# KiCad board SweetBusiness.kicad_pcb
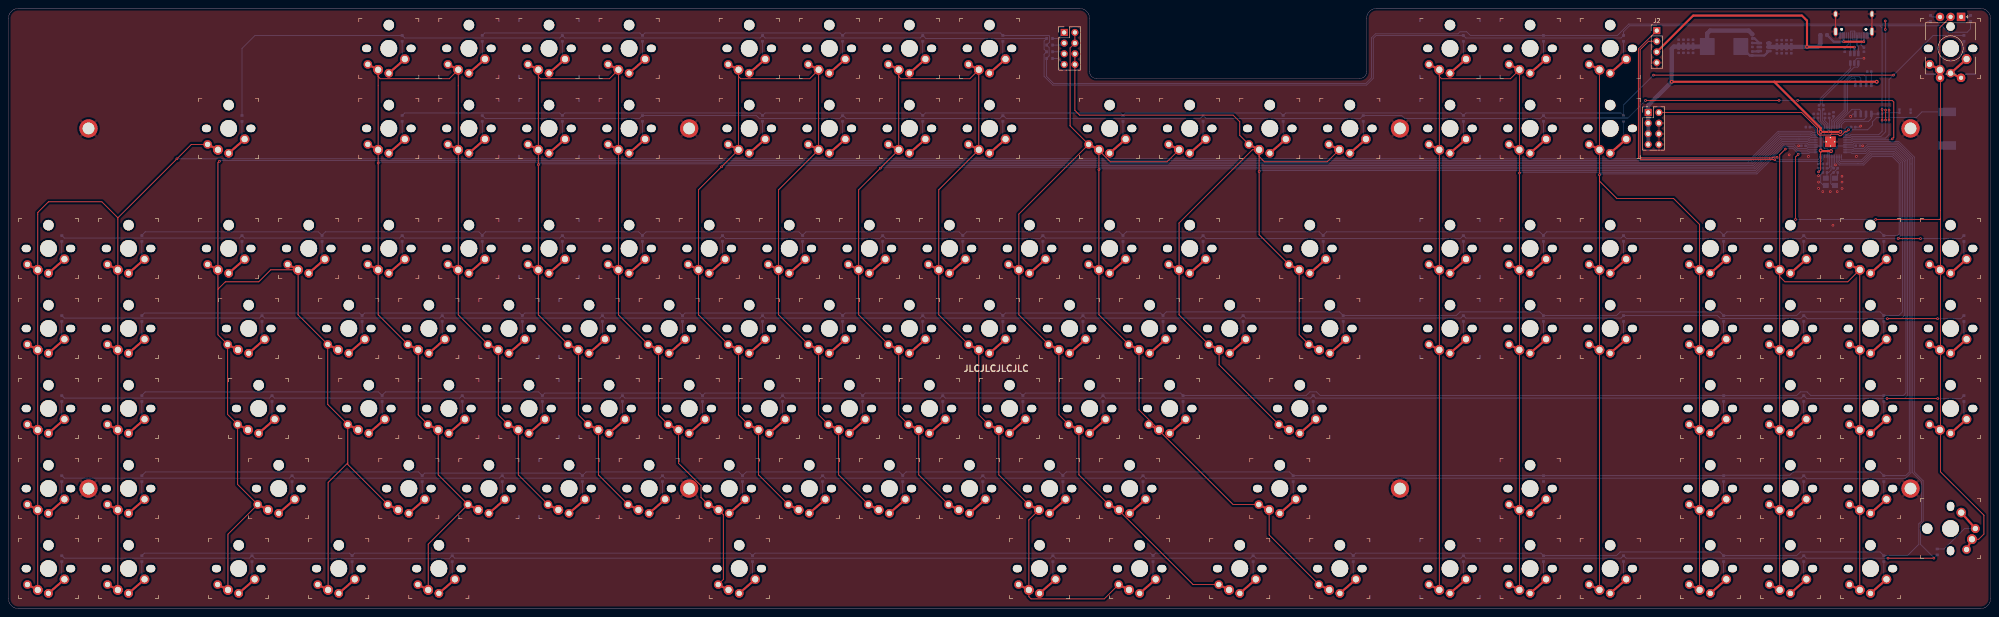
[diagram p0: board, top side]
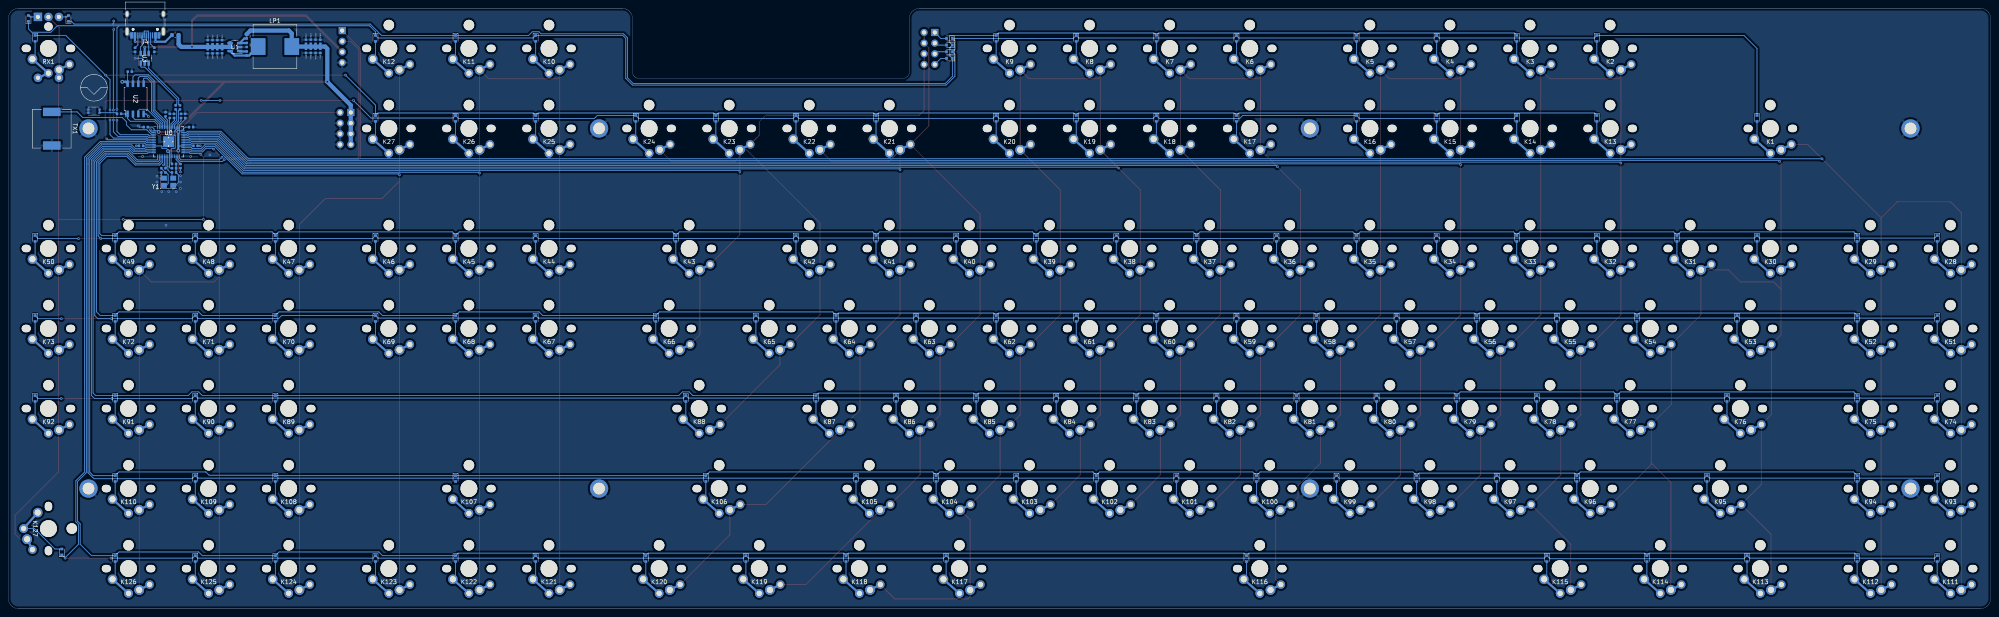
[diagram p1: board, bottom side, seen from below]

Outline 471.49 x 142.88 mm; copper layers: Top, Bottom. Coordinates in mm from the lower left corner of the outline.
Outline path: 0,140.49 arc(0.7,142.18) 2.38,142.88 254.79,142.88 arc(256.48,142.18) 257.18,140.49 257.18,127.79 arc(257.64,126.67) 258.76,126.21 321.47,126.21 arc(322.59,126.67) 323.06,127.79 323.06,140.49 arc(323.75,142.18) 325.44,142.88 469.11,142.88 arc(470.79,142.18) 471.49,140.49 471.49,2.38 arc(470.79,0.7) 469.11,0 2.38,0 arc(0.7,0.7) 0,2.38 0,140.49
Stack: Top 0.035mm / dielectric 1.51mm FR4 er 4.5 / Bottom 0.035mm

## Placement (name value [footprint] x y rotation side)
C1  100nF  [Passive_0402_1005Metric]  432.09 105.85 180 bottom
C2  1uf  [Passive_0402_1005Metric]  434.12 117.67 90 bottom
C3  100nF  [Passive_0402_1005Metric]  432.09 104.84 180 bottom
C4  100nF  [Passive_0402_1005Metric]  428.02 114.62 180 bottom
C5  100nF  [Passive_0402_1005Metric]  429.42 117.28 90 bottom
C6  100nF  [Passive_0402_1005Metric]  430.43 117.28 90 bottom
C7  100nF  [Passive_0402_1005Metric]  432.09 117.28 90 bottom
C8  100nF  [Passive_0402_1005Metric]  433.1 117.28 90 bottom
C9  100nF  [Passive_0402_1005Metric]  439.94 110.17 0 bottom
C10  1uf  [Passive_0402_1005Metric]  438.82 114.62 0 bottom
C11  10uf  [Passive_0402_1005Metric]  426.98 110.17 180 bottom
CF1  100nF  [Passive_0402_1005Metric]  442.63 127.83 180 bottom
CP1  100nF  [Passive_0402_1005Metric]  414.81 132.14 270 bottom
CP2  22uf  [Passive_0402_1005Metric]  420.66 134.84 270 bottom
CP3  22uf  [Passive_0402_1005Metric]  421.8 134.84 270 bottom
CP4  22uf  [Passive_0402_1005Metric]  422.94 134.84 270 bottom
CP5  22uf  [Passive_0402_1005Metric]  424.08 134.84 270 bottom
CP6  22uf  [Passive_0402_1005Metric]  420.66 132.68 90 bottom
CP7  22uf  [Passive_0402_1005Metric]  421.8 132.68 90 bottom
CP8  22uf  [Passive_0402_1005Metric]  422.94 132.68 90 bottom
CP9  22uf  [Passive_0402_1005Metric]  424.08 132.68 90 bottom
CP10  22uf  [Passive_0402_1005Metric]  400.72 134.94 90 bottom
CP11  22uf  [Passive_0402_1005Metric]  399.57 134.94 90 bottom
CP12  22uf  [Passive_0402_1005Metric]  398.43 134.94 90 bottom
CP13  22uf  [Passive_0402_1005Metric]  397.29 134.94 90 bottom
CP14  22uf  [Passive_0402_1005Metric]  400.72 132.78 270 bottom
CP15  22uf  [Passive_0402_1005Metric]  399.57 132.78 270 bottom
CP16  22uf  [Passive_0402_1005Metric]  398.43 132.78 270 bottom
CP17  22uf  [Passive_0402_1005Metric]  397.29 132.78 270 bottom
CX1  100nF  [Passive_0402_1005Metric]  432.09 103.82 180 bottom
CX2  100nF  [Passive_0402_1005Metric]  434.63 103.82 180 bottom
D1  SOD-523  [D_SOD-523]  55.56 116.68 270 bottom
D2  SOD-523  [D_SOD-523]  93.66 135.73 270 bottom
D3  SOD-523  [D_SOD-523]  112.71 135.73 270 bottom
D4  SOD-523  [D_SOD-523]  131.76 135.73 270 bottom
D5  SOD-523  [D_SOD-523]  150.81 135.73 270 bottom
D6  SOD-523  [D_SOD-523]  179.39 135.73 270 bottom
D7  SOD-523  [D_SOD-523]  198.44 135.73 270 bottom
D8  SOD-523  [D_SOD-523]  217.49 135.73 270 bottom
D9  SOD-523  [D_SOD-523]  236.54 135.73 270 bottom
D10  SOD-523  [D_SOD-523]  346.07 135.73 270 bottom
D11  SOD-523  [D_SOD-523]  365.12 135.73 270 bottom
D12  SOD-523  [D_SOD-523]  384.18 135.73 270 bottom
D13  SOD-523  [D_SOD-523]  93.66 116.68 270 bottom
D14  SOD-523  [D_SOD-523]  112.71 116.68 270 bottom
D15  SOD-523  [D_SOD-523]  131.76 116.68 270 bottom
D16  SOD-523  [D_SOD-523]  150.81 116.68 270 bottom
D17  SOD-523  [D_SOD-523]  179.39 116.68 270 bottom
D18  SOD-523  [D_SOD-523]  198.44 116.68 270 bottom
D19  SOD-523  [D_SOD-523]  217.49 116.68 270 bottom
D20  SOD-523  [D_SOD-523]  236.54 116.68 270 bottom
D21  SOD-523  [D_SOD-523]  265.11 116.68 270 bottom
D22  SOD-523  [D_SOD-523]  284.16 116.68 270 bottom
D23  SOD-523  [D_SOD-523]  303.21 116.68 270 bottom
D24  SOD-523  [D_SOD-523]  322.26 116.68 270 bottom
D25  SOD-523  [D_SOD-523]  346.07 116.68 270 bottom
D26  SOD-523  [D_SOD-523]  365.12 116.68 270 bottom
D27  SOD-523  [D_SOD-523]  384.18 116.68 270 bottom
D28  SOD-523  [D_SOD-523]  12.7 88.11 270 bottom
D29  SOD-523  [D_SOD-523]  31.75 88.11 270 bottom
D30  SOD-523  [D_SOD-523]  55.56 88.11 270 bottom
D31  SOD-523  [D_SOD-523]  74.61 88.11 270 bottom
D32  SOD-523  [D_SOD-523]  93.66 88.11 270 bottom
D33  SOD-523  [D_SOD-523]  112.71 88.11 270 bottom
D34  SOD-523  [D_SOD-523]  131.76 88.11 270 bottom
D35  SOD-523  [D_SOD-523]  150.81 88.11 270 bottom
D36  SOD-523  [D_SOD-523]  169.86 88.11 270 bottom
D37  SOD-523  [D_SOD-523]  188.91 88.11 270 bottom
D38  SOD-523  [D_SOD-523]  207.96 88.11 270 bottom
D39  SOD-523  [D_SOD-523]  227.01 88.11 270 bottom
D40  SOD-523  [D_SOD-523]  246.06 88.11 270 bottom
D41  SOD-523  [D_SOD-523]  265.11 88.11 270 bottom
D42  SOD-523  [D_SOD-523]  284.16 88.11 270 bottom
D43  SOD-523  [D_SOD-523]  312.74 88.11 270 bottom
D44  SOD-523  [D_SOD-523]  346.07 88.11 270 bottom
D45  SOD-523  [D_SOD-523]  365.12 88.11 270 bottom
D46  SOD-523  [D_SOD-523]  384.18 88.11 270 bottom
D47  SOD-523  [D_SOD-523]  407.99 88.11 270 bottom
D48  SOD-523  [D_SOD-523]  427.04 88.11 270 bottom
D49  SOD-523  [D_SOD-523]  446.09 88.11 270 bottom
D50  SOD-523  [D_SOD-523]  465.14 88.11 270 bottom
D51  SOD-523  [D_SOD-523]  12.7 69.06 270 bottom
D52  SOD-523  [D_SOD-523]  31.75 69.06 270 bottom
D53  SOD-523  [D_SOD-523]  60.33 69.06 270 bottom
D54  SOD-523  [D_SOD-523]  84.14 69.06 270 bottom
D55  SOD-523  [D_SOD-523]  103.19 69.06 270 bottom
D56  SOD-523  [D_SOD-523]  122.24 69.06 270 bottom
D57  SOD-523  [D_SOD-523]  141.29 69.06 270 bottom
D58  SOD-523  [D_SOD-523]  160.34 69.06 270 bottom
D59  SOD-523  [D_SOD-523]  179.39 69.06 270 bottom
D60  SOD-523  [D_SOD-523]  198.44 69.06 270 bottom
D61  SOD-523  [D_SOD-523]  217.49 69.06 270 bottom
D62  SOD-523  [D_SOD-523]  236.54 69.06 270 bottom
D63  SOD-523  [D_SOD-523]  255.59 69.06 270 bottom
D64  SOD-523  [D_SOD-523]  274.64 69.06 270 bottom
D65  SOD-523  [D_SOD-523]  293.69 69.06 270 bottom
D66  SOD-523  [D_SOD-523]  317.5 69.06 270 bottom
D67  SOD-523  [D_SOD-523]  346.07 69.06 270 bottom
D68  SOD-523  [D_SOD-523]  365.12 69.06 270 bottom
D69  SOD-523  [D_SOD-523]  384.18 69.06 270 bottom
D70  SOD-523  [D_SOD-523]  407.99 69.06 270 bottom
D71  SOD-523  [D_SOD-523]  427.04 69.06 270 bottom
D72  SOD-523  [D_SOD-523]  446.09 69.06 270 bottom
D73  SOD-523  [D_SOD-523]  465.14 69.06 270 bottom
D74  SOD-523  [D_SOD-523]  12.7 50.01 270 bottom
D75  SOD-523  [D_SOD-523]  31.75 50.01 270 bottom
D76  SOD-523  [D_SOD-523]  62.71 50.01 270 bottom
D77  SOD-523  [D_SOD-523]  88.9 50.01 270 bottom
D78  SOD-523  [D_SOD-523]  107.95 50.01 270 bottom
D79  SOD-523  [D_SOD-523]  127 50.01 270 bottom
D80  SOD-523  [D_SOD-523]  146.05 50.01 270 bottom
D81  SOD-523  [D_SOD-523]  165.1 50.01 270 bottom
D82  SOD-523  [D_SOD-523]  184.15 50.01 270 bottom
D83  SOD-523  [D_SOD-523]  203.2 50.01 270 bottom
D84  SOD-523  [D_SOD-523]  222.25 50.01 270 bottom
D85  SOD-523  [D_SOD-523]  241.3 50.01 270 bottom
D86  SOD-523  [D_SOD-523]  260.35 50.01 270 bottom
D87  SOD-523  [D_SOD-523]  279.4 50.01 270 bottom
D88  SOD-523  [D_SOD-523]  310.36 50.01 270 bottom
D89  SOD-523  [D_SOD-523]  407.99 50.01 270 bottom
D90  SOD-523  [D_SOD-523]  427.04 50.01 270 bottom
D91  SOD-523  [D_SOD-523]  446.09 50.01 270 bottom
D92  SOD-523  [D_SOD-523]  465.14 50.01 270 bottom
D93  SOD-523  [D_SOD-523]  12.7 30.96 270 bottom
D94  SOD-523  [D_SOD-523]  31.75 30.96 270 bottom
D95  SOD-523  [D_SOD-523]  67.47 30.96 270 bottom
D96  SOD-523  [D_SOD-523]  98.43 30.96 270 bottom
D97  SOD-523  [D_SOD-523]  117.47 30.96 270 bottom
D98  SOD-523  [D_SOD-523]  136.53 30.96 270 bottom
D99  SOD-523  [D_SOD-523]  155.57 30.96 270 bottom
D100  SOD-523  [D_SOD-523]  174.62 30.96 270 bottom
D101  SOD-523  [D_SOD-523]  193.68 30.96 270 bottom
D102  SOD-523  [D_SOD-523]  212.73 30.96 270 bottom
D103  SOD-523  [D_SOD-523]  231.77 30.96 270 bottom
D104  SOD-523  [D_SOD-523]  250.82 30.96 270 bottom
D105  SOD-523  [D_SOD-523]  269.88 30.96 270 bottom
D106  SOD-523  [D_SOD-523]  305.59 30.96 270 bottom
D107  SOD-523  [D_SOD-523]  365.12 30.96 270 bottom
D108  SOD-523  [D_SOD-523]  407.99 30.96 270 bottom
D109  SOD-523  [D_SOD-523]  427.04 30.96 270 bottom
D110  SOD-523  [D_SOD-523]  446.09 30.96 270 bottom
D111  SOD-523  [D_SOD-523]  12.7 11.91 270 bottom
D112  SOD-523  [D_SOD-523]  31.75 11.91 270 bottom
D113  SOD-523  [D_SOD-523]  57.94 11.91 270 bottom
D114  SOD-523  [D_SOD-523]  81.76 11.91 270 bottom
D115  SOD-523  [D_SOD-523]  105.57 11.91 270 bottom
D116  SOD-523  [D_SOD-523]  177.01 11.91 270 bottom
D117  SOD-523  [D_SOD-523]  248.44 11.91 270 bottom
D118  SOD-523  [D_SOD-523]  272.26 11.91 270 bottom
D119  SOD-523  [D_SOD-523]  296.07 11.91 270 bottom
D120  SOD-523  [D_SOD-523]  319.88 11.91 270 bottom
D121  SOD-523  [D_SOD-523]  346.07 11.91 270 bottom
D122  SOD-523  [D_SOD-523]  365.12 11.91 270 bottom
D123  SOD-523  [D_SOD-523]  384.18 11.91 270 bottom
D124  SOD-523  [D_SOD-523]  407.99 11.91 270 bottom
D125  SOD-523  [D_SOD-523]  427.04 11.91 270 bottom
D126  SOD-523  [D_SOD-523]  446.09 11.91 270 bottom
D127  SOD-523  [D_SOD-523]  458.79 13.49 90 bottom
DR1  SOD-523  [D_SOD-523]  465.14 135.73 270 bottom
DR2  SOD-523  [D_SOD-523]  466.73 140.49 90 bottom
DR3  SOD-523  [D_SOD-523]  457.2 140.49 90 bottom
DT1  SOD-523  [D_SOD-523]  247.65 135.73 0 bottom
DT2  SOD-523  [D_SOD-523]  247.65 134.14 0 bottom
DT3  SOD-523  [D_SOD-523]  247.65 132.56 0 bottom
DT4  SOD-523  [D_SOD-523]  247.65 130.97 0 bottom
F1  6v 500ma  [Fuse_0603_1608Metric]  431.8 136.53 180 bottom
H1  Mount  [SolderableHole-M2]  19.05 114.3 0 top
H2  Mount  [SolderableHole-M2]  161.93 114.3 0 top
H3  Mount  [SolderableHole-M2]  330.99 114.3 0 top
H4  Mount  [SolderableHole-M2]  452.44 114.3 0 top
H5  Mount  [SolderableHole-M2]  19.05 28.58 0 top
H6  Mount  [SolderableHole-M2]  161.93 28.58 0 top
H7  Mount  [SolderableHole-M2]  330.99 28.58 0 top
H8  Mount  [SolderableHole-M2]  452.44 28.58 0 top
J1  Toggle Link  [PinHeader_2x04_P2.54mm_Vertical]  251.14 137.15 0 top
J2  I2C  [PinHeader_1x04_P2.54mm_Vertical]  392.08 137.59 0 top
J3  Bridge  [PinHeader_2x04_P2.54mm_Vertical]  390.04 118.1 0 top
J4  USB  [USB_C_Receptacle_HRO_TYPE-C-31-M-12]  438.94 140.49 0 bottom
K1  OmniSwitch  [MX-Choc-RGB]  52.39 114.3 180 top
K2  OmniSwitch  [MX-Choc-RGB]  90.49 133.35 180 top
K3  OmniSwitch  [MX-Choc-RGB]  109.54 133.35 180 top
K4  OmniSwitch  [MX-Choc-RGB]  128.59 133.35 180 top
K5  OmniSwitch  [MX-Choc-RGB]  147.64 133.35 180 top
K6  OmniSwitch  [MX-Choc-RGB]  176.21 133.35 180 top
K7  OmniSwitch  [MX-Choc-RGB]  195.26 133.35 180 top
K8  OmniSwitch  [MX-Choc-RGB]  214.31 133.35 180 top
K9  OmniSwitch  [MX-Choc-RGB]  233.36 133.35 180 top
K10  OmniSwitch  [MX-Choc-RGB]  342.9 133.35 180 top
K11  OmniSwitch  [MX-Choc-RGB]  361.95 133.35 180 top
K12  OmniSwitch  [MX-Choc-RGB]  381 133.35 180 top
K13  OmniSwitch  [MX-Choc-RGB]  90.49 114.3 180 top
K14  OmniSwitch  [MX-Choc-RGB]  109.54 114.3 180 top
K15  OmniSwitch  [MX-Choc-RGB]  128.59 114.3 180 top
K16  OmniSwitch  [MX-Choc-RGB]  147.64 114.3 180 top
K17  OmniSwitch  [MX-Choc-RGB]  176.21 114.3 180 top
K18  OmniSwitch  [MX-Choc-RGB]  195.26 114.3 180 top
K19  OmniSwitch  [MX-Choc-RGB]  214.31 114.3 180 top
K20  OmniSwitch  [MX-Choc-RGB]  233.36 114.3 180 top
K21  OmniSwitch  [MX-Choc-RGB]  261.94 114.3 180 top
K22  OmniSwitch  [MX-Choc-RGB]  280.99 114.3 180 top
K23  OmniSwitch  [MX-Choc-RGB]  300.04 114.3 180 top
K24  OmniSwitch  [MX-Choc-RGB]  319.09 114.3 180 top
K25  OmniSwitch  [MX-Choc-RGB]  342.9 114.3 180 top
K26  OmniSwitch  [MX-Choc-RGB]  361.95 114.3 180 top
K27  OmniSwitch  [MX-Choc-RGB]  381 114.3 180 top
K28  OmniSwitch  [MX-Choc-RGB]  9.53 85.73 180 top
K29  OmniSwitch  [MX-Choc-RGB]  28.58 85.73 180 top
K30  OmniSwitch  [MX-Choc-RGB]  52.39 85.73 180 top
K31  OmniSwitch  [MX-Choc-RGB]  71.44 85.73 180 top
K32  OmniSwitch  [MX-Choc-RGB]  90.49 85.73 180 top
K33  OmniSwitch  [MX-Choc-RGB]  109.54 85.73 180 top
K34  OmniSwitch  [MX-Choc-RGB]  128.59 85.73 180 top
K35  OmniSwitch  [MX-Choc-RGB]  147.64 85.73 180 top
K36  OmniSwitch  [MX-Choc-RGB]  166.69 85.73 180 top
K37  OmniSwitch  [MX-Choc-RGB]  185.74 85.73 180 top
K38  OmniSwitch  [MX-Choc-RGB]  204.79 85.73 180 top
K39  OmniSwitch  [MX-Choc-RGB]  223.84 85.73 180 top
K40  OmniSwitch  [MX-Choc-RGB]  242.89 85.73 180 top
K41  OmniSwitch  [MX-Choc-RGB]  261.94 85.73 180 top
K42  OmniSwitch  [MX-Choc-RGB]  280.99 85.73 180 top
K43  OmniSwitch  [MX-Choc-RGB]  309.56 85.73 180 top
K44  OmniSwitch  [MX-Choc-RGB]  342.9 85.73 180 top
K45  OmniSwitch  [MX-Choc-RGB]  361.95 85.73 180 top
K46  OmniSwitch  [MX-Choc-RGB]  381 85.73 180 top
K47  OmniSwitch  [MX-Choc-RGB]  404.81 85.73 180 top
K48  OmniSwitch  [MX-Choc-RGB]  423.86 85.73 180 top
K49  OmniSwitch  [MX-Choc-RGB]  442.91 85.73 180 top
K50  OmniSwitch  [MX-Choc-RGB]  461.96 85.73 180 top
K51  OmniSwitch  [MX-Choc-RGB]  9.53 66.68 180 top
K52  OmniSwitch  [MX-Choc-RGB]  28.58 66.68 180 top
K53  OmniSwitch  [MX-Choc-RGB]  57.15 66.68 180 top
K54  OmniSwitch  [MX-Choc-RGB]  80.96 66.68 180 top
K55  OmniSwitch  [MX-Choc-RGB]  100.01 66.68 180 top
K56  OmniSwitch  [MX-Choc-RGB]  119.06 66.68 180 top
K57  OmniSwitch  [MX-Choc-RGB]  138.11 66.68 180 top
K58  OmniSwitch  [MX-Choc-RGB]  157.16 66.68 180 top
K59  OmniSwitch  [MX-Choc-RGB]  176.21 66.68 180 top
K60  OmniSwitch  [MX-Choc-RGB]  195.26 66.68 180 top
K61  OmniSwitch  [MX-Choc-RGB]  214.31 66.68 180 top
K62  OmniSwitch  [MX-Choc-RGB]  233.36 66.68 180 top
K63  OmniSwitch  [MX-Choc-RGB]  252.41 66.68 180 top
K64  OmniSwitch  [MX-Choc-RGB]  271.46 66.68 180 top
K65  OmniSwitch  [MX-Choc-RGB]  290.51 66.68 180 top
K66  OmniSwitch  [MX-Choc-RGB]  314.32 66.68 180 top
K67  OmniSwitch  [MX-Choc-RGB]  342.9 66.68 180 top
K68  OmniSwitch  [MX-Choc-RGB]  361.95 66.68 180 top
K69  OmniSwitch  [MX-Choc-RGB]  381 66.68 180 top
K70  OmniSwitch  [MX-Choc-RGB]  404.81 66.68 180 top
K71  OmniSwitch  [MX-Choc-RGB]  423.86 66.68 180 top
K72  OmniSwitch  [MX-Choc-RGB]  442.91 66.68 180 top
K73  OmniSwitch  [MX-Choc-RGB]  461.96 66.68 180 top
K74  OmniSwitch  [MX-Choc-RGB]  9.53 47.62 180 top
K75  OmniSwitch  [MX-Choc-RGB]  28.58 47.62 180 top
K76  OmniSwitch  [MX-Choc-RGB]  59.53 47.62 180 top
K77  OmniSwitch  [MX-Choc-RGB]  85.72 47.62 180 top
K78  OmniSwitch  [MX-Choc-RGB]  104.78 47.62 180 top
K79  OmniSwitch  [MX-Choc-RGB]  123.82 47.62 180 top
K80  OmniSwitch  [MX-Choc-RGB]  142.88 47.62 180 top
K81  OmniSwitch  [MX-Choc-RGB]  161.93 47.62 180 top
K82  OmniSwitch  [MX-Choc-RGB]  180.97 47.62 180 top
K83  OmniSwitch  [MX-Choc-RGB]  200.02 47.62 180 top
K84  OmniSwitch  [MX-Choc-RGB]  219.07 47.62 180 top
K85  OmniSwitch  [MX-Choc-RGB]  238.12 47.62 180 top
K86  OmniSwitch  [MX-Choc-RGB]  257.18 47.62 180 top
K87  OmniSwitch  [MX-Choc-RGB]  276.23 47.62 180 top
K88  OmniSwitch  [MX-Choc-RGB]  307.18 47.62 180 top
K89  OmniSwitch  [MX-Choc-RGB]  404.81 47.62 180 top
K90  OmniSwitch  [MX-Choc-RGB]  423.86 47.62 180 top
K91  OmniSwitch  [MX-Choc-RGB]  442.91 47.62 180 top
K92  OmniSwitch  [MX-Choc-RGB]  461.96 47.62 180 top
K93  OmniSwitch  [MX-Choc-RGB]  9.53 28.58 180 top
K94  OmniSwitch  [MX-Choc-RGB]  28.58 28.58 180 top
K95  OmniSwitch  [MX-Choc-RGB]  64.29 28.58 180 top
K96  OmniSwitch  [MX-Choc-RGB]  95.25 28.58 180 top
K97  OmniSwitch  [MX-Choc-RGB]  114.3 28.58 180 top
K98  OmniSwitch  [MX-Choc-RGB]  133.35 28.58 180 top
K99  OmniSwitch  [MX-Choc-RGB]  152.4 28.58 180 top
K100  OmniSwitch  [MX-Choc-RGB]  171.45 28.58 180 top
K101  OmniSwitch  [MX-Choc-RGB]  190.5 28.58 180 top
K102  OmniSwitch  [MX-Choc-RGB]  209.55 28.58 180 top
K103  OmniSwitch  [MX-Choc-RGB]  228.6 28.58 180 top
K104  OmniSwitch  [MX-Choc-RGB]  247.65 28.58 180 top
K105  OmniSwitch  [MX-Choc-RGB]  266.7 28.58 180 top
K106  OmniSwitch  [MX-Choc-RGB]  302.42 28.58 180 top
K107  OmniSwitch  [MX-Choc-RGB]  361.95 28.58 180 top
K108  OmniSwitch  [MX-Choc-RGB]  404.81 28.58 180 top
K109  OmniSwitch  [MX-Choc-RGB]  423.86 28.58 180 top
K110  OmniSwitch  [MX-Choc-RGB]  442.91 28.58 180 top
K111  OmniSwitch  [MX-Choc-RGB]  9.53 9.53 180 top
K112  OmniSwitch  [MX-Choc-RGB]  28.58 9.53 180 top
K113  OmniSwitch  [MX-Choc-RGB]  54.77 9.53 180 top
K114  OmniSwitch  [MX-Choc-RGB]  78.58 9.53 180 top
K115  OmniSwitch  [MX-Choc-RGB]  102.39 9.53 180 top
K116  OmniSwitch  [MX-Choc-RGB]  173.83 9.53 180 top
K117  OmniSwitch  [MX-Choc-RGB]  245.27 9.53 180 top
K118  OmniSwitch  [MX-Choc-RGB]  269.08 9.53 180 top
K119  OmniSwitch  [MX-Choc-RGB]  292.89 9.53 180 top
K120  OmniSwitch  [MX-Choc-RGB]  316.71 9.53 180 top
K121  OmniSwitch  [MX-Choc-RGB]  342.9 9.53 180 top
K122  OmniSwitch  [MX-Choc-RGB]  361.95 9.53 180 top
K123  OmniSwitch  [MX-Choc-RGB]  381 9.53 180 top
K124  OmniSwitch  [MX-Choc-RGB]  404.81 9.53 180 top
K125  OmniSwitch  [MX-Choc-RGB]  423.86 9.53 180 top
K126  OmniSwitch  [MX-Choc-RGB]  442.91 9.53 180 top
K127  OmniSwitch  [MX-Choc-RGB]  461.96 19.05 270 top
LP1  10uH  [L_Wuerth_HCI-1040]  408.08 133.79 180 bottom
RC1  5k1  [Passive_0402_1005Metric]  441.36 133.03 90 bottom
RC2  5k1  [Passive_0402_1005Metric]  436.78 133.03 270 bottom
RD1  27  [Passive_0402_1005Metric]  431.7 119.32 270 bottom
RD2  27  [Passive_0402_1005Metric]  430.69 119.32 270 bottom
RF1  1k  [Passive_0402_1005Metric]  445.17 117.79 0 bottom
RP1  100K  [Passive_0402_1005Metric]  414.81 136.21 270 bottom
RP2  22.1K  [Passive_0402_1005Metric]  414.81 134.18 270 bottom
RR1  1k  [Passive_0402_1005Metric]  430.56 105.35 90 bottom
RX1  Media  [MX-Choc-Enc-RGB]  461.96 133.35 180 top
RX2  1k  [Passive_0402_1005Metric]  434.63 104.84 0 bottom
S1  USB BOOT  [SW_EVPBB4A9B000]  451.14 118.43 180 bottom
TX1  Transducer  [Buzzer_CUI_CPT-9019S-SMT]  461.17 114.24 270 bottom
U0  RP2040  [QFN-56-RP2040]  433.39 111.12 180 bottom
U1  MT2492  [SOT-23-6]  417.61 133.67 0 bottom
U2  W25Q128JVS  [SOIC-8_5.23x5.23mm_P1.27mm]  441.23 121.35 90 bottom
U3  USBLC6-2SC6  [SOT-23-6]  439.07 131 90 bottom
Y1  12MHz  [Crystal_SMD_3225-4Pin_3.2x2.5mm]  433.39 101.6 180 bottom

## Library data of the parts
C1 C3-C6 C9 CP1 = -: LCSC: C1525
C2 = -: LCSC: C52923
C7 C8 CF1 CX1 CX2 = -: LCSC: C1525; Field5: REF**
C10 = -: LCSC: C52923; Field5: REF**
C11 = -: LCSC: C23733; Field5: REF**
CP2-CP17 = -: LCSC: C415703
D1-D127 DR1-DR3 DT1-DT4 = -: LCSC: C2802290
F1 = -: LCSC: C207011
J4 = -: LCSC: C167321
LP1 = -: LCSC: C44893
RC1 RC2 RF1 RR1 RX2 = -: LCSC: C25905; Field5: REF**
RD1 RD2 = -: LCSC: C413051; Field5: REF**
RP1 = -: LCSC: C25741
RP2 = -: LCSC: C43473
S1 = -: LCSC: C140848
TX1 = -: LCSC: C391035
U0 = -: LCSC: C2040
U1 = -: LCSC: C89358
U2 = -: LCSC: C97521
U3 = -: LCSC: C2827654
Y1 = -: LCSC: C9002

## Footprints (pads in the part's own frame, mm; a bottom-side part is the same pattern mirrored in y, then rotated)
Buzzer_CUI_CPT-9019S-SMT
  rect 2x4.2 smd: 1(-4,0) 2(4,0)
Crystal_SMD_3225-4Pin_3.2x2.5mm
  rect 1.4x1.2 smd: 1(-1.1,-0.85) 2(1.1,-0.85) 3(1.1,0.85) 4(-1.1,0.85)
D_SOD-523
  rect 0.6x0.7 smd: 1(-0.7,0) 2(0.7,0)
Fuse_0603_1608Metric
  rrect 0.875x0.95 smd: 1(-0.787,0) 2(0.787,0)
L_Wuerth_HCI-1040
  rect 3.5x4 smd: 1(-4,0) 2(4,0)
MX-Choc-Enc-RGB
  oval 2.15x1.75 hole 2.15x1.75 unplated: (-5.283,0) (5.283,0)
  round 3.988 hole 3.988 unplated: (0,0)
  round 2 hole 2 unplated: (0,-5.2)
  custom 2x3.17 hole 1: 1(2.5,7)
  round 2.286 hole 1.499: 1(2.54,5.08)
  round 2.032 smd: 1(5,3.8)
  custom 3.786x2.545 hole 1.27: 1(5,3.8)
  round 2.286 smd: 2(-3.81,2.54)
  custom 5.203x4.753 hole 1.499: 2(-3.81,2.54)
  round 2 smd: 2(-2.5,7)
  custom 3.75x2.35 hole 1: 2(-2.5,7)
  round 2.032 hole 1.27: 2(0,5.9)
  rect 2x2 hole 1: A(-2.5,-7.5)
  round 2 hole 1: B(2.5,-7.5) C(0,-7.5)
MX-Choc-RGB
  oval 2.15x1.75 hole 2.15x1.75 unplated: (-5.283,0) (5.283,0)
  round 3.988 hole 3.988 unplated: (0,0)
  round 2.5 hole 2.5 unplated: (0,-5.556)
  round 2.286 smd: 1(2.54,5.08)
  round 2.286 smd far side: 1(2.54,5.08)
  custom 3.853x2.673 hole 1.499: 1(2.54,5.08)
  round 2.032 hole 1.27: 1(5,3.8)
  round 2.286 hole 1.499: 2(-3.81,2.54)
  round 2.032 smd: 2(0,5.9)
  round 2.032 smd far side: 2(0,5.9)
  custom 5.076x4.626 hole 1.27: 2(0,5.9)
Passive_0402_1005Metric
  rrect 0.59x0.64 smd: 1(-0.485,0) 2(0.485,0)
PinHeader_1x04_P2.54mm_Vertical
  rect 1.7x1.7 hole 1: 1(0,0)
  oval 1.7x1.7 hole 1: 2(0,-2.54) 3(0,-5.08) 4(0,-7.62)
PinHeader_2x04_P2.54mm_Vertical
  rect 1.7x1.7 hole 1: 1(0,0)
  oval 1.7x1.7 hole 1: 2(2.54,0) 3(0,-2.54) 4(2.54,-2.54) 5(0,-5.08) 6(2.54,-5.08) 7(0,-7.62) 8(2.54,-7.62)
QFN-56-RP2040
  rrect 1.084x1.084 smd: (-0.637,-0.637) (-0.637,0.637) (0.637,-0.637) (0.637,0.637)
  rrect 0.875x0.2 smd: 1(-3.438,2.6) 2(-3.438,2.2) 3(-3.438,1.8) 4(-3.438,1.4) 5(-3.438,1) 6(-3.438,0.6) 7(-3.438,0.2) 8(-3.438,-0.2) 9(-3.438,-0.6) 10(-3.438,-1) 11(-3.438,-1.4) 12(-3.438,-1.8) 13(-3.438,-2.2) 14(-3.438,-2.6) 29(3.438,-2.6) 30(3.438,-2.2) 31(3.438,-1.8) 32(3.438,-1.4) 33(3.438,-1) 34(3.438,-0.6) 35(3.438,-0.2) 36(3.438,0.2) 37(3.438,0.6) 38(3.438,1) 39(3.438,1.4) 40(3.438,1.8) 41(3.438,2.2) 42(3.438,2.6)
  rrect 0.2x0.875 smd: 15(-2.6,-3.438) 16(-2.2,-3.438) 17(-1.8,-3.438) 18(-1.4,-3.438) 19(-1,-3.438) 20(-0.6,-3.438) 21(-0.2,-3.438) 22(0.2,-3.438) 23(0.6,-3.438) 24(1,-3.438) 25(1.4,-3.438) 26(1.8,-3.438) 27(2.2,-3.438) 28(2.6,-3.438) 43(2.6,3.438) 44(2.2,3.438) 45(1.8,3.438) 46(1.4,3.438) 47(1,3.438) 48(0.6,3.438) 49(0.2,3.438) 50(-0.2,3.438) 51(-0.6,3.438) 52(-1,3.438) 53(-1.4,3.438) 54(-1.8,3.438) 55(-2.2,3.438) 56(-2.6,3.438)
  round 0.5 hole 0.3: 57(-1,0) 57(0,-1) 57(0,1) 57(1,0)
  rect 2.55x2.55 smd far side: 57(0,0)
  rect 2.55x2.55 smd: 57(0,0)
SOIC-8_5.23x5.23mm_P1.27mm
  rrect 1.6x0.6 smd: 1(-3.6,1.905) 2(-3.6,0.635) 3(-3.6,-0.635) 4(-3.6,-1.905) 5(3.6,-1.905) 6(3.6,-0.635) 7(3.6,0.635) 8(3.6,1.905)
SolderableHole-M2
  round 4.35 hole 2.8: 1(0,0)
SOT-23-6
  rrect 1.325x0.6 smd: 1(-1.137,0.95) 2(-1.137,0) 3(-1.137,-0.95) 4(1.137,-0.95) 5(1.137,0) 6(1.137,0.95)
SW_EVPBB4A9B000
  rect 0.55x0.55 smd: 1(-1.325,-0.375) 1(-1.325,0.375) 2(1.325,-0.375) 2(1.325,0.375)
USB_C_Receptacle_HRO_TYPE-C-31-M-12
  round 0.65 hole 0.65 unplated: (-2.89,2.6) (2.89,2.6)
  rect 0.6x1.45 smd: A1(-3.25,4.045) A4(-2.45,4.045) A9(2.45,4.045) A12(3.25,4.045) B1(3.25,4.045) B4(2.45,4.045) B9(-2.45,4.045) B12(-3.25,4.045)
  rect 0.3x1.45 smd: A5(-1.25,4.045) A6(-0.25,4.045) A7(0.25,4.045) A8(1.25,4.045) B5(1.75,4.045) B6(0.75,4.045) B7(-0.75,4.045) B8(-1.75,4.045)
  oval 1x1.6 hole 0.6x1.2: S1(-4.32,-1.05) S1(4.32,-1.05)
  oval 1x2.1 hole 0.6x1.7: S1(-4.32,3.13) S1(4.32,3.13)
